# Altium PCB BB.PcbDoc (part 2 of 9) (continued)
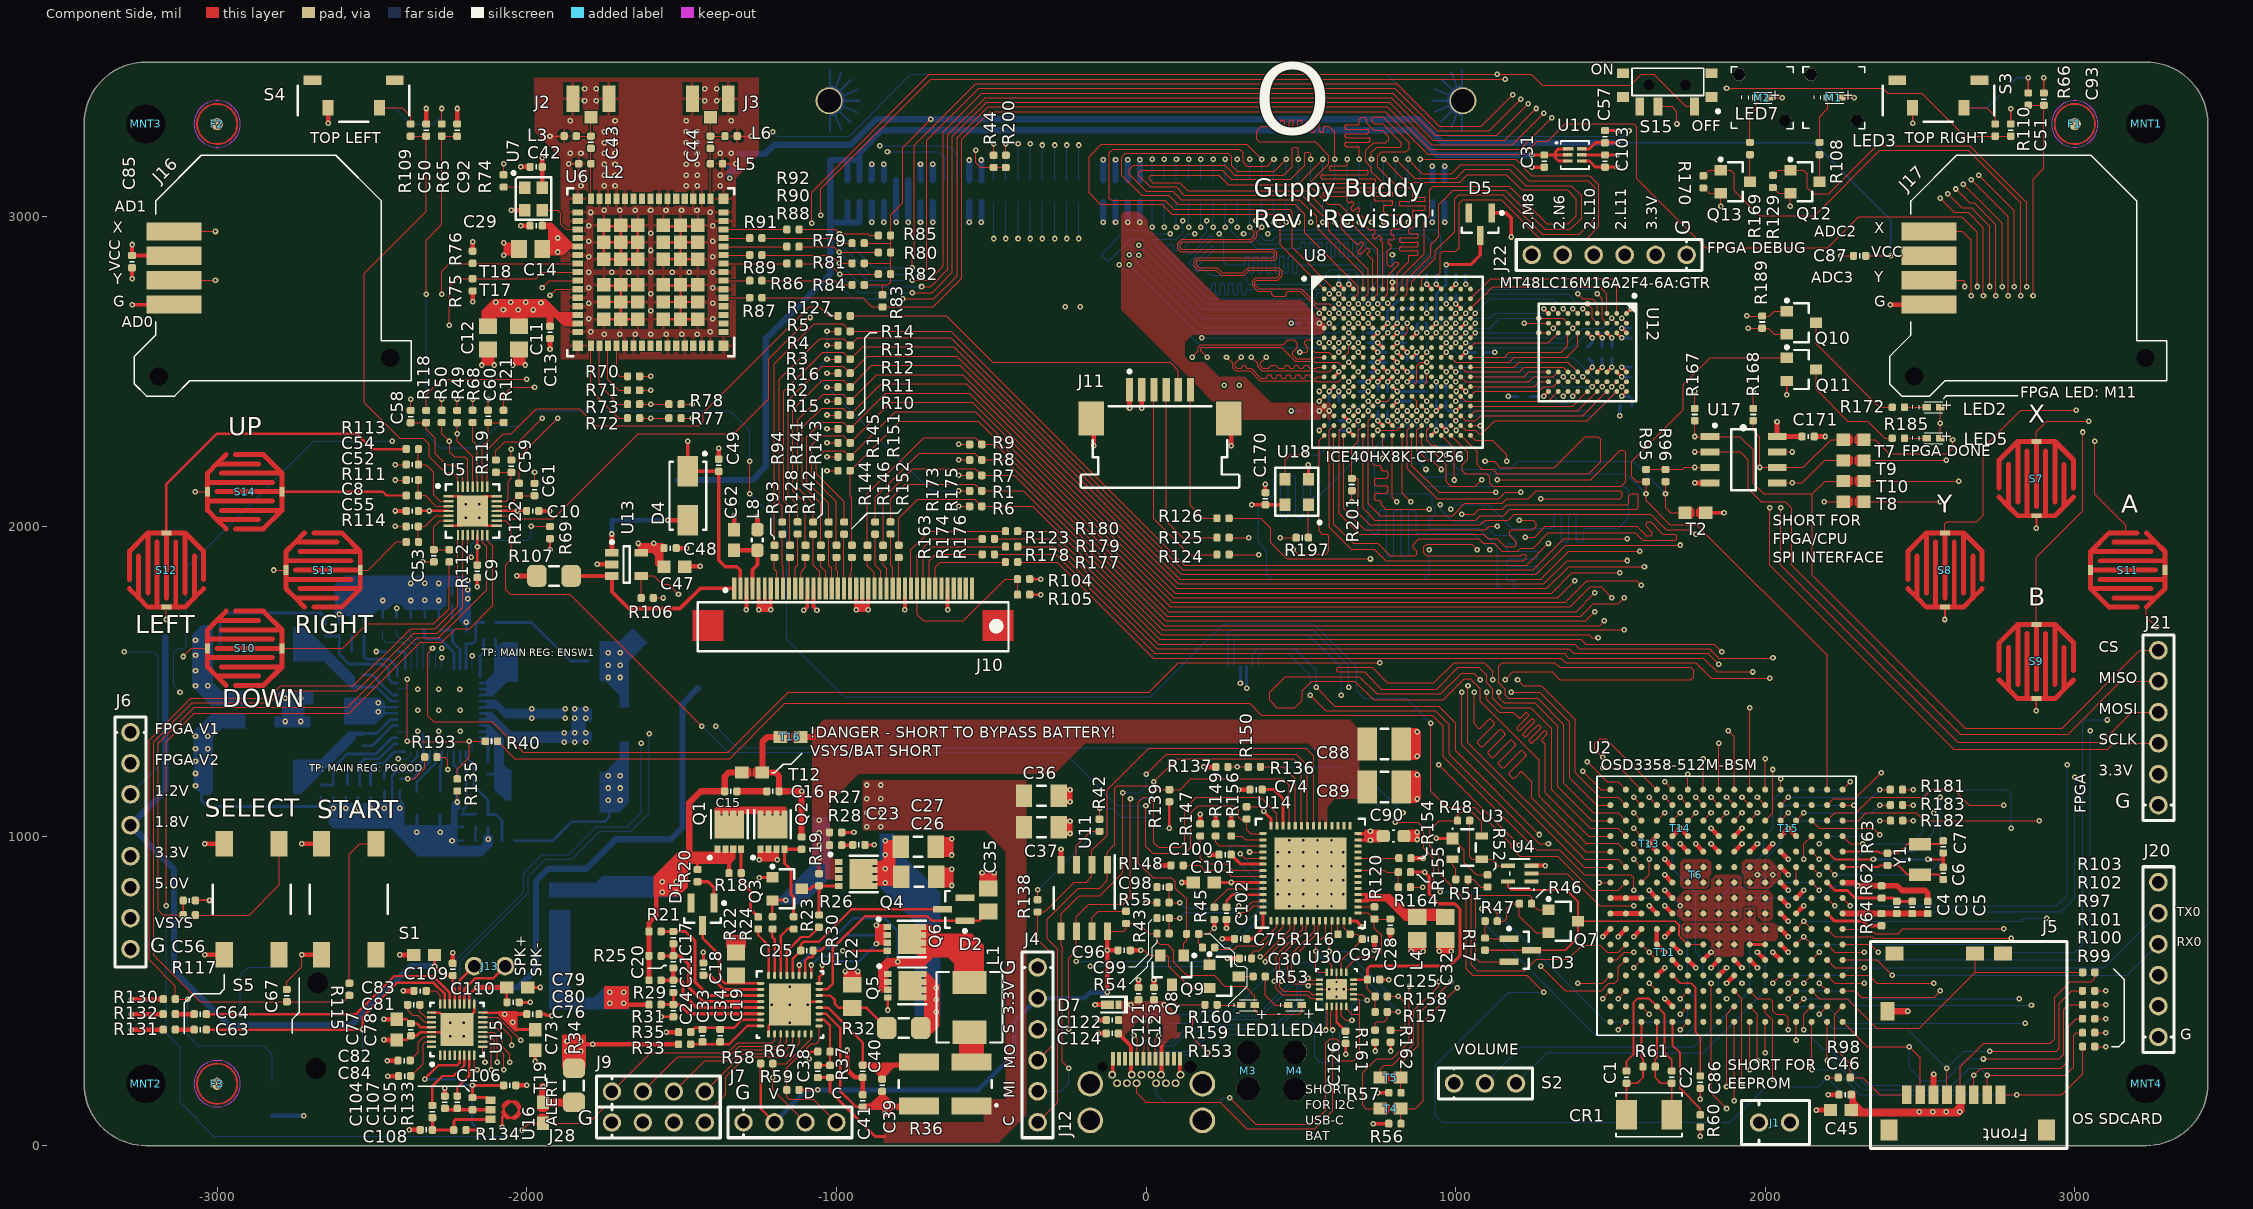
[diagram p0: Component Side view]
## Part data (continued)
C94 C111 C116 C117 C119 C120 C127 C129 C130 C131 C133 C134 C135 C161 C162 C163 C164 C167 C169: library part C_0201_0.1UF, "CAP CER 0.1UF 6.3V 10% X5R 0201", Capacitance=0.1µF, Manufacturer="Murata Electronics North America", Manufacturer Part Number=GRM033R60J104KE19D, Operating Temperature="-55°C ~ 85°C", Package / Case=0201, Ratings=-, Supplier Part Number 1=490-3167-1-ND, Temperature Coefficient=X5R, Tolerance=±10%, Voltage - Rated=6.3V, Applications="General Purpose", Category=Capacitors, ComponentLink1Description=http://search.murata.co.jp/Ceramy/image/img/A01X/G101/ENG/GRM033R60J104KE19-01.pdf, ComponentLink1URL=http://search.murata.co.jp/Ceramy/image/img/A01X/G101/ENG/GRM033R60J104KE19-01.pdf, Features=-, Height - Seated (Max)=-, Lead Spacing=-, Lead Style=-, Mounting Type="Surface Mount, MLCC", Packaging="Cut Tape (CT)", Part Status=Active, Pricing 1="1=0.1, 10=0.033, 100=0.0149, 500=0.01062, 1000=0.00835, 2500=0.00759, 5000=0.00698 (USD)", RoHS="RoHS Compliant", Size / Dimension="0.024\" L x 0.012\" W (0.60mm x 0.30mm)", Stock 1=13375857, Supplier 1=Digi-Key, Thickness (Max)="0.013\" (0.33mm)"
C95 C118 C128 C132 C136 C166 C168: library part C_0201_1.0UF, "CAP CER 1UF 6.3V 20% X5R 0201", Capacitance=1.0µF, Manufacturer=AVX, Manufacturer Part Number=02016D105KAT2A, Operating Temperature Range="- 55 C to + 85 C", Package / Case=0201, Supplier Part Number 1=581-02016D105KAT2A, Temperature Coefficient=X5R, Tolerance="10 %", Voltage - Rated=6.3V, Voltage Rating="6.3 Volts", Category="Multilayer Ceramic Capacitors (MLCC) - SMD/SMT", ComponentLink1Description=http://www.avx.com/docs/Catalogs/cx5r.pdf, ComponentLink1URL=http://www.avx.com/docs/Catalogs/cx5r.pdf, Dimensions="0.3 mm W x 0.6 mm L x 0.33 mm H", Minimum Order Quantity=1, Packaging=Reel, Pricing="1=0.878, 50=0.635, 100=0.394, 500=0.274, 1000=0.257, 15000=0.224 (AUD)", Product="General Type MLCCs", Product Category="SMD Ceramic Capacitors", Product Status="New at Mouser", Reeling=True, RoHS="RoHS Compliant", RoHS - Mouser=Y, Series=CX5R, Stock 1=9875, Supplier 1=Mouser, Temperature Coefficient / Code=X5R, Termination Style=SMD/SMT
C104 C105 C107 C108: library part C_0402_1000PF_50V, "CAP CER 1000PF 50V C0G 0402", Manufacturer="Murata Electronics North America", Manufacturer Part Number=GRM1555C1H102JA01D, Operating Temperature="-55°C ~ 125°C", Package / Case=0402, Ratings=-, Supplier Part Number 1=490-3244-1-ND, Temperature Coefficient=C0G, Tolerance=±5%, Voltage - Rated=50V, Applications="General Purpose", Capacitance=1000pF, Category=Capacitors, ComponentLink1Description=http://search.murata.co.jp/Ceramy/image/img/PDF/ENG/GRM1555C1H102JA01.pdf, ComponentLink1URL=http://search.murata.co.jp/Ceramy/image/img/PDF/ENG/GRM1555C1H102JA01.pdf, Features=-, Lead Spacing=-, Lead Style=-, Mounting Type="Surface Mount, MLCC", Packaging="Cut Tape (CT)", Pricing 1="10=0.073, 100=0.0429, 500=0.02476, 1000=0.01716 (USD)", RoHS="RoHS Compliant", Size / Dimension="0.040\" L x 0.020\" W (1.00mm x 0.50mm)", Stock 1=1327660, Supplier 1=Digi-Key, Thickness=0.50mm
C112 C139 C145 C151: "CAP CER 22UF 35V X5R 0805", Capacitance=22µF, Manufacturer="TDK Corporation", Manufacturer Part Number=C2012X5R1V226M125AC, Operating Temperature="-55°C ~ 85°C", Package / Case=0805, Ratings=-, Supplier Part Number 1=445-14428-1-ND, Temperature Coefficient=X5R, Tolerance=±20%, Voltage - Rated=35V, Applications="General Purpose", Category=Capacitors, ComponentLink1Description=https://product.tdk.com/info/en/catalog/datasheets/mlcc_commercial_general_en.pdf, ComponentLink1URL=https://product.tdk.com/info/en/catalog/datasheets/mlcc_commercial_general_en.pdf, Failure Rate=-, Features="Low ESL", Height - Seated (Max)=-, Lead Spacing=-, Lead Style=-, Mounting Type="Surface Mount, MLCC", Packaging="Cut Tape (CT)", Part Status=Active, Pricing 1="1=1.14, 10=0.863, 100=0.6176, 500=0.47818, 1000=0.41176 (USD)", RoHS="RoHS Compliant", Size / Dimension="0.079\" L x 0.049\" W (2.00mm x 1.25mm)", Stock 1=3681, Supplier 1=Digi-Key, Thickness (Max)="0.057\" (1.45mm)"
C114 C141 C147 C153: Capacitance=3300pF, Manufacturer="Murata Electronics North America", Manufacturer Part Number=GRM155R71H332KA01D, Operating Temperature="-55°C ~ 125°C", Package / Case=0402, Ratings=-, Supplier Part Number 1=490-3248-1-ND, Temperature Coefficient=X7R, Tolerance=±10%, Voltage - Rated=50V, Applications="General Purpose", Category=Capacitors, ComponentLink1Description=http://www.murata.com/~/media/webrenewal/support/library/catalog/products/capacitor/mlcc/c02e.ashx?la=en-us, ComponentLink1URL=http://www.murata.com/~/media/webrenewal/support/library/catalog/products/capacitor/mlcc/c02e.ashx?la=en-us, Features=-, Height - Seated (Max)=-, Lead Spacing=-, Lead Style=-, Mounting Type="Surface Mount, MLCC", Packaging="Cut Tape (CT)", Part Status=Active, Pricing 1="1=0.1, 10=0.013, 100=0.0059, 500=0.0042, 1000=0.0033, 2500=0.003, 5000=0.00276 (USD)", RoHS="RoHS Compliant", Size / Dimension="0.039\" L x 0.020\" W (1.00mm x 0.50mm)", Stock 1=717319, Supplier 1=Digi-Key, Thickness (Max)="0.022\" (0.55mm)"
C115 C142: "CAP CER 36PF 50V NP0 0402", Capacitance=36pF, Manufacturer="Samsung Electro-Mechanics America, Inc.", Manufacturer Part Number=CL05C360JB5NNNC, Operating Temperature="-55°C ~ 125°C", Package / Case=0402, Ratings=-, Supplier Part Number 1=1276-1686-1-ND, Temperature Coefficient=C0G, Tolerance=±5%, Voltage - Rated=50V, Applications="General Purpose", Category=Capacitors, ComponentLink1Description=http://www.samsungsem.com/kr/support/product-search/mlcc/CL05C360JB5NNNC.jsp, ComponentLink1URL=http://www.samsungsem.com/kr/support/product-search/mlcc/CL05C360JB5NNNC.jsp, Features=-, Height - Seated (Max)=-, Lead Spacing=-, Lead Style=-, Mounting Type="Surface Mount, MLCC", Packaging="Cut Tape (CT)", Pricing 1="1=0.1, 10=0.03, 25=0.0208, 50=0.016, 100=0.0135, 500=0.00948, 1000=0.00738, 5000=0.00615 (USD)", RoHS="RoHS Compliant", Size / Dimension="0.039\" L x 0.020\" W (1.00mm x 0.50mm)", Stock 1=24626, Supplier 1=Digi-Key, Thickness (Max)="0.022\" (0.55mm)"
C121 C122 C123 C124: library part C_0402_10000PF_50V, "CAP CERAMIC .01UF 50V X7R 0402", Capacitance=.01µF, Manufacturer="Murata Electronics North America", Manufacturer Part Number=GRM155R71H103KA88D, Operating Temperature="-55°C ~ 125°C", Package / Case=0402, Ratings=-, Supplier Part Number 1=490-4516-1-ND, Temperature Coefficient=X7R, Tolerance=±10%, Voltage - Rated=50V, Applications="General Purpose", Category=Capacitors, ComponentLink1Description=http://www.murata.com/~/media/webrenewal/support/library/catalog/products/capacitor/mlcc/c02e.ashx, ComponentLink1URL=http://www.murata.com/~/media/webrenewal/support/library/catalog/products/capacitor/mlcc/c02e.ashx, Features=-, Height - Seated (Max)=-, Lead Spacing=-, Lead Style=-, Mounting Type="Surface Mount, MLCC", Packaging="Cut Tape (CT)", Part Status=Active, Pricing 1="1=0.1, 50=0.0052, 100=0.0044, 250=0.00364, 500=0.00312, 1000=0.00242, 5000=0.00202 (USD)", RoHS="RoHS Compliant", Size / Dimension="0.039\" L x 0.020\" W (1.00mm x 0.50mm)", Stock 1=7255009, Supplier 1=Digi-Key, Thickness (Max)="0.022\" (0.55mm)"
C137 C143 C149 C155: "CAP CER 0.068UF 25V X7R 0402", Capacitance=0.068µF, Manufacturer="Murata Electronics North America", Manufacturer Part Number=GRM155R71E683KE14D, Operating Temperature="-55°C ~ 125°C", Package / Case=0402, Ratings=-, Supplier Part Number 1=490-14604-1-ND, Temperature Coefficient=X7R, Tolerance=±10%, Voltage - Rated=25V, Applications="General Purpose", Category=Capacitors, ComponentLink1Description=http://search.murata.co.jp/Ceramy/image/img/A01X/G101/ENG/GRM155R71E683KE14-01.pdf, ComponentLink1URL=http://search.murata.co.jp/Ceramy/image/img/A01X/G101/ENG/GRM155R71E683KE14-01.pdf, Failure Rate=-, Features=-, Height - Seated (Max)=-, Lead Spacing=-, Lead Style=-, Mounting Type="Surface Mount, MLCC", Packaging="Cut Tape (CT)", Part Status=Active, Pricing 1="1=0.1, 10=0.031, 100=0.0136, 500=0.00974, 1000=0.00765, 2500=0.00696, 5000=0.0064 (USD)", RoHS="RoHS Compliant", Size / Dimension="0.039\" L x 0.020\" W (1.00mm x 0.50mm)", Stock 1=7620, Supplier 1=Digi-Key, Thickness (Max)="0.022\" (0.55mm)"
C148: library part C_0402_12PF_50V, "CAP CER 12PF 50V 5% C0G 0402", Manufacturer="Murata Electronics North America", Manufacturer Part Number=GRM1555C1H120FA01D, Operating Temperature="-55°C ~ 125°C", Package / Case=0402, Ratings=-, Supplier Part Number 1=490-6196-1-ND, Temperature Coefficient="C0G, NP0", Tolerance=±1%, Voltage - Rated=50V, Applications="General Purpose", Capacitance=12pF, Category=Capacitors, ComponentLink1Description=http://search.murata.co.jp/Ceramy/image/img/A01X/G101/ENG/GRM1555C1H120FA01-01.pdf, ComponentLink1URL=http://search.murata.co.jp/Ceramy/image/img/A01X/G101/ENG/GRM1555C1H120FA01-01.pdf, Features=-, Height - Seated (Max)=-, Lead Spacing=-, Lead Style=-, Mounting Type="Surface Mount, MLCC", Packaging="Cut Tape (CT)", Part Status=Active, Pricing 1="1=0.1, 10=0.05, 100=0.0223, 500=0.01594, 1000=0.01252, 2500=0.01138, 5000=0.01047 (USD)", RoHS="RoHS Compliant", Size / Dimension="0.039\" L x 0.020\" W (1.00mm x 0.50mm)", Stock 1=386052, Supplier 1=Digi-Key, Thickness (Max)="0.022\" (0.55mm)"
C154: library part C_0402_47p_50V, "CAP CER 47PF 50V 5% C0G 0402", Manufacturer="Murata Electronics North America", Manufacturer Part Number=GRM1555C1H470JA01D, Operating Temperature="-55°C ~ 125°C", Package / Case=0402, Ratings=-, Supplier Part Number 1=490-5942-1-ND, Temperature Coefficient=C0G, Tolerance=±5%, Voltage - Rated=50V, Applications="General Purpose", Capacitance=47pF, Category=Capacitors, ComponentLink1Description=http://www.murata.com/~/media/webrenewal/support/library/catalog/products/capacitor/mlcc/c02e.ashx, ComponentLink1URL=http://www.murata.com/~/media/webrenewal/support/library/catalog/products/capacitor/mlcc/c02e.ashx, Features=-, Height - Seated (Max)=-, Lead Spacing=-, Lead Style=-, Mounting Type="Surface Mount, MLCC", Packaging="Cut Tape (CT)", Pricing 1="1=0.1, 10=0.013, 50=0.007, 100=0.0059, 250=0.00488, 500=0.00416, 1000=0.00324, 5000=0.0027 (USD)", RoHS="RoHS Compliant", Size / Dimension="0.039\" L x 0.020\" W (1.00mm x 0.50mm)", Stock 1=682755, Supplier 1=Digi-Key, Thickness (Max)="0.022\" (0.55mm)"
C158: library part C_0402_4.7UF, "CAP CER 4.7UF 6.3V X5R 0402", Capacitance=4.7µF, Manufacturer="Samsung Electro-Mechanics America, Inc", Manufacturer Part Number=CL05A475MQ5NRNC, Operating Temperature="-55°C ~ 85°C", Package / Case=0402, Ratings=-, Supplier Part Number 1=1276-1056-1-ND, Temperature Coefficient=X5R, Tolerance=±20%, Voltage - Rated=6.3V, Applications="General Purpose", Category=Capacitors, ComponentLink1Description=http://www.samsungsem.com/servlet/FileDownload?type=spec&file=CL05A475MQ5NRNC.pdf, ComponentLink1URL=http://www.samsungsem.com/servlet/FileDownload?type=spec&file=CL05A475MQ5NRNC.pdf, Features=-, Height - Seated (Max)=-, Lead Spacing=-, Lead Style=-, Mounting Type="Surface Mount, MLCC", Packaging="Cut Tape (CT)", Pricing="1=0.23, 10=0.159, 25=0.116, 50=0.0966, 100=0.0811, 250=0.06564, 500=0.0579, 1000=0.04922, 2500=0.04536 (USD)", RoHS="RoHS Compliant", Size / Dimension="0.039\" L x 0.020\" W (1.00mm x 0.50mm)", Stock 1=318619, Supplier 1=Digi-Key, Thickness (Max)="0.022\" (0.55mm)"
C159 C160: library part C_0805_4.7µF_25V, "CAP CER 4.7UF 25V 10% X5R 0805", Manufacturer="Taiyo Yuden", Manufacturer Part Number=TMK212BJ475KG-T, Operating Temperature="-55°C ~ 85°C", Package / Case=0805, Ratings=-, Supplier Part Number 1=587-1782-1-ND, Temperature Coefficient=X5R, Tolerance=±10%, Voltage - Rated=25V, Applications="General Purpose", Capacitance=4.7µF, Category=Capacitors, ComponentLink1Description=http://www.yuden.co.jp/productdata/catalog/en/mlcc01_e.pdf, ComponentLink1URL=http://www.yuden.co.jp/productdata/catalog/en/mlcc01_e.pdf, Features=-, Height - Seated (Max)=-, Lead Spacing=-, Lead Style=-, Mounting Type="Surface Mount, MLCC", Packaging="Cut Tape (CT)", Pricing 1="1=0.24, 10=0.2, 50=0.1126, 100=0.1, 250=0.075, 500=0.06626, 1000=0.05875 (USD)", RoHS="RoHS Compliant", Size / Dimension="0.079\" L x 0.049\" W (2.00mm x 1.25mm)", Stock 1=38955, Supplier 1=Digi-Key, Thickness (Max)="0.053\" (1.35mm)"
C165: library part C_0201_0.01UF, "CAP CER 10000PF 6.3V X5R 0201", Capacitance=0.01µF, Manufacturer="TDK Corporation", Manufacturer Part Number=C0603X5R0J103M, Operating Temperature="-55°C ~ 85°C", Package / Case=0201, Ratings=-, Supplier Part Number 1=445-4704-1-ND, Temperature Coefficient=X5R, Tolerance=±20%, Voltage - Rated=6.3V, Applications="General Purpose", Category=Capacitors, ComponentLink1Description=http://www.tdk.com/pdf/general_B11.pdf, ComponentLink1URL=http://www.tdk.com/pdf/general_B11.pdf, Features=-, Height - Seated (Max)=-, Lead Spacing=-, Lead Style=-, Mounting Type="Surface Mount, MLCC", Packaging="Cut Tape (CT)", Pricing="1=0.08, 10=0.05, 100=0.018, 250=0.013, 500=0.0096, 1000=0.0065 (USD)", RoHS="RoHS Compliant", Size / Dimension="0.024\" L x 0.012\" W (0.60mm x 0.30mm)", Stock 1=31876, Supplier 1=Digi-Key, Thickness (Max)="0.013\" (0.33mm)"
CR1: "Imported", Case/Package=SMD/SMT, ESR (Equivalent Series Resistance)=50R, Frequency=24MHz, Frequency Stability=30ppm, Load Capacitance=18pF, Manufacturer 1=TXC, Manufacturer_Part_Number=7A-24.000MAAJ-T, Max Operating Temperature=70°C, Min Operating Temperature=-40°C, Package Quantity=1000, Supplier Part Number 1=887-1090-1-ND, Built_By=EMA_UL_Team, C="Copyright (C) 2015 Accelerated Designs. All rights reserved", ComponentLink1Description=https://datasheet.ciiva.com/46431/1041607-46431974.pdf, ComponentLink1URL=https://datasheet.ciiva.com/46431/1041607-46431974.pdf, ComponentLink2Description=https://datasheet.ciiva.com/854/7a-854775.pdf, ComponentLink2URL=https://datasheet.ciiva.com/854/7a-854775.pdf, ComponentLink3Description=https://datasheet.ciiva.com/854/7a-854776.pdf, ComponentLink3URL=https://datasheet.ciiva.com/854/7a-854776.pdf, ComponentLink4Description=https://datasheet.ciiva.com/854/7a-854777.pdf, ComponentLink4URL=https://datasheet.ciiva.com/854/7a-854777.pdf, ComponentLink5Description=https://datasheet.ciiva.com/1356/1041607-1356396.pdf, ComponentLink5URL=https://datasheet.ciiva.com/1356/1041607-1356396.pdf, Depth=3.2mm, Description 1="CRYSTAL 24.000MHZ 18PF SMD", Frequency Tolerance=30ppm, Height=0.053inch, Lead Free="Lead Free", Length=5mm, Manufacturer Part Number 1=7A-24.000MAAJ-T, Mount="Surface Mount", Number of Pins=2, Packaging="Tape and Reel", Pricing 1="1=0.72, 10=0.633, 50=0.5912, 100=0.5225, 500=0.495 (USD)", REACH SVHC="No SVHC", RefDes=RefDes, Stock 1=70918, Supplier 1=Digi-Key, Termination=SMD/SMT, Tolerance=30ppm, Type=DEV, Vendor=TXC, Width=3.2mm
D1 D2 D5: library part D_SCHOTT_BAT54WFILM, "DIODE SCHOTTKY 40V 300MA SOT-23", Average Rectified Current=300mA, Capacitance=10pF, Case/Package=SOT-323, Forward Voltage=900mV, Manufacturer 1=STMicroelectronics, Manufacturer Part Number 1=BAT54WFILM, Max Forward Surge Current (Ifsm)=1A, Max Operating Temperature=150°C, Max Repetitive Reverse Voltage (Vrrm)=40V, Max Reverse Leakage Current=1uA, Min Operating Temperature=-40°C, Package / Case=SOT-23-3, Package Quantity=1, Supplier Part Number 1=497-2530-6-ND, Voltage - Forward (Vf) (Max) @ If="900mV @ 100mA", Voltage Rating (DC)=30V, ComponentLink1Description=http://www.fairchildsemi.com/ds/BA/BAT54.pdf, ComponentLink1URL=http://www.fairchildsemi.com/ds/BA/BAT54.pdf, ComponentLink2Description=https://datasheet.ciiva.com/4714/cd00001322-105648-4714481.pdf, ComponentLink2URL=https://datasheet.ciiva.com/4714/cd00001322-105648-4714481.pdf, ComponentLink3Description=https://datasheet.ciiva.com/15144/getdatasheetpartid-39206-15144069.pdf, ComponentLink3URL=https://datasheet.ciiva.com/15144/getdatasheetpartid-39206-15144069.pdf, ComponentLink4Description=https://datasheet.ciiva.com/915/cd00001322-915500.pdf, ComponentLink4URL=https://datasheet.ciiva.com/915/cd00001322-915500.pdf, ComponentLink5Description=https://datasheet.ciiva.com/915/cd00001322-915501.pdf, ComponentLink5URL=https://datasheet.ciiva.com/915/cd00001322-915501.pdf, ComponentLink6Description=https://datasheet.ciiva.com/915/cd00001322-915502.pdf, ComponentLink6URL=https://datasheet.ciiva.com/915/cd00001322-915502.pdf, Current - Average Rectified (Io)=300mA, Current Rating=300mA, Description 1="DIODE SCHOTTKY 40V 300MA SOT323", Element Configuration=Single, Forward Current=300mA, Height=1.1mm, Lead Free="Lead Free", Length=2mm, Max Reverse Voltage (DC)=40V, Max Surge Current=1A, Mount="Surface Mount", Number of Pins=3, Output Current=300mA, Packaging="Tape and Reel", Peak Non-Repetitive Surge Current=1A, Peak Reverse Current=1uA, Polarity=Standard, Pricing 1="1=0.38, 10=0.286, 100=0.1617, 500=0.10706, 1000=0.08209 (USD)", Radiation Hardening=No, Recovery Time=5ns, Reverse Recovery Time=5ns, Stock 1=16371, Supplier 1=Digi-Key, Voltage - DC Reverse (Vr) (Max)=40V, Width=1.25mm
D3: "IC VREF SHUNT ADJ SOT23-3", Case/Package=SOT-23, Cathode Current=100uA, Manufacturer="Texas Instruments", Manufacturer_Part_Number=TLVH431AIDBZR, Max Input Voltage=20V, Max Operating Temperature=125°C, Max Output Current=80mA, Max Output Voltage=18V, Min Operating Temperature=-40°C, Output Current=70mA, Package Quantity=1, Supplier Part Number 1=296-17970-6-ND, Temperature Coefficient=129ppm/°C, Tolerance=1%, Built_By=EMA_UL_Team, C="Copyright (C) 2015 Accelerated Designs. All rights reserved", ComponentLink1Description=https://datasheet.ciiva.com/8055/1772203-8055424.pdf, ComponentLink1URL=https://datasheet.ciiva.com/8055/1772203-8055424.pdf, ComponentLink2Description=https://datasheet.ciiva.com/3236/tlvh432b-3236469.pdf, ComponentLink2URL=https://datasheet.ciiva.com/3236/tlvh432b-3236469.pdf, ComponentLink3Description=https://datasheet.ciiva.com/2006/tlvh431a-2006475.pdf, ComponentLink3URL=https://datasheet.ciiva.com/2006/tlvh431a-2006475.pdf, ComponentLink4Description=https://datasheet.ciiva.com/2006/tlvh431a-2006476.pdf, ComponentLink4URL=https://datasheet.ciiva.com/2006/tlvh431a-2006476.pdf, ComponentLink5Description=https://datasheet.ciiva.com/2006/tlvh431a-2006477.pdf, ComponentLink5URL=https://datasheet.ciiva.com/2006/tlvh431a-2006477.pdf, ComponentLink6Description=https://datasheet.ciiva.com/3235/tlvh432b-3235662.pdf, ComponentLink6URL=https://datasheet.ciiva.com/3235/tlvh432b-3235662.pdf, Description 1="IC VREF SHUNT ADJ SOT23-3", Lead Free="Lead Free", Manufacturer 1="Texas Instruments", Manufacturer Part Number 1=TLVH431AIDBZR, Number of Channels=1, Number of Pins=3, Output Voltage=18V, Packaging="Tape and Reel", Pricing 1="1=0.75, 10=0.659, 100=0.5055, 500=0.39964, 1000=0.31971 (USD)", Radiation Hardening=No, REACH SVHC="No SVHC", RefDes=RefDes, Reference Type=Shunt,Adjustable, Reference Voltage=18V, Stock 1=8302, Supplier 1=Digi-Key, Type=DEV, Vendor="Texas Instruments"
D4: library part D_SCHOTT_B1100-13-F, "DIODE SCHOTTKY 100V 1A SMA", Capacitance @ Vr, F="80pF @ 4V, 1MHz", Current - Average Rectified (Io)=1A, Current - Reverse Leakage @ Vr="500µA @ 100V", Manufacturer="Diodes Inc", Package / Case=DO-214AC, Supplier Device Package=SMA, Supplier Part Number 1=B1100-FDICT-ND, Voltage - DC Reverse (Vr) (Max)=100V, Voltage - Forward (Vf) (Max) @ If="790mV @ 1A", Category="Discrete Semiconductor Products", ComponentLink1Description=http://www.diodes.com/datasheets/ds30018.pdf, ComponentLink1URL=http://www.diodes.com/datasheets/ds30018.pdf, Diode Type=Schottky, Manufacturer Part Number=B1100-13-F, Mounting Type="Surface Mount", Packaging="Cut Tape (CT)", Pricing="1=0.57, 10=0.4, 25=0.3288, 100=0.2627, 250=0.1914, 500=0.15544, 1000=0.11948, 2500=0.1073 (USD)", Reverse Recovery Time (trr)=-, RoHS="RoHS Compliant", Speed="Fast Recovery =< 500ns, > 200mA (Io)", Stock 1=109264, Supplier 1=Digi-Key
D7: "Diode Schottky 30V 2A (DC) Surface Mount 2-DSN (1.6x.80)", Average Rectified Current=2A, Case/Package=0603, Forward Voltage=480mV, Manufacturer="ON Semiconductor", Manufacturer Part Number=NSR20F20NXT5G, Max Forward Surge Current (Ifsm)=28A, Max Operating Temperature=150°C, Max Power Dissipation=1.75W, Max Repetitive Reverse Voltage (Vrrm)=30V, Max Reverse Leakage Current=150uA, Min Operating Temperature=-40°C, Package Quantity=1, Supplier Part Number 1=NSR20F30NXT5GOSDKR-ND, ComponentLink1Description=https://datasheet.ciiva.com/22663/nsr20f30-d-22663701.pdf, ComponentLink1URL=https://datasheet.ciiva.com/22663/nsr20f30-d-22663701.pdf, ComponentLink2Description=https://datasheet.ciiva.com/4714/nsr20f30-118998-4714087.pdf, ComponentLink2URL=https://datasheet.ciiva.com/4714/nsr20f30-118998-4714087.pdf, ComponentLink3Description=https://datasheet.ciiva.com/16474/nsr20f30-d-16474535.pdf, ComponentLink3URL=https://datasheet.ciiva.com/16474/nsr20f30-d-16474535.pdf, ComponentLink4Description=https://datasheet.ciiva.com/915/nsr20f30-d-915929.pdf, ComponentLink4URL=https://datasheet.ciiva.com/915/nsr20f30-d-915929.pdf, ComponentLink5Description=https://datasheet.ciiva.com/915/nsr20f30-d-915930.pdf, ComponentLink5URL=https://datasheet.ciiva.com/915/nsr20f30-d-915930.pdf, ComponentLink6Description=https://datasheet.ciiva.com/915/nsr20f30-d-915931.pdf, ComponentLink6URL=https://datasheet.ciiva.com/915/nsr20f30-d-915931.pdf, Element Configuration=Single, Forward Current=2A, Lead Free="Lead Free", Max Surge Current=28A, Number of Pins=2, Packaging="Tape and Reel", Peak Non-Repetitive Surge Current=28A, Peak Reverse Current=150uA, Pricing 1="1=0.57, 10=0.458, 100=0.3118, 500=0.2339, 1000=0.1754 (USD)", Radiation Hardening=No, REACH SVHC="No SVHC", Reverse Voltage (DC)=30V, Stock 1=24771, Supplier 1=Digikey
F1 F2 F3: library part F_FUDICIAL
J1: "CONN HEADER .100\" 2POS TIN PCB", Color=Black, Manufacturer=Samtec, Manufacturer Part Number=TSW-102-07-T-S, Category="Connectors, Interconnects", ComponentLink1Description=http://www.samtec.com/ftppub/pdf/TD.PDF, ComponentLink1URL=http://www.samtec.com/ftppub/pdf/TD.PDF, Connector Type=Unshrouded, Contact Finish=Tin, Contact Finish Thickness="200µin (5.08µm)", Contact Mating Length="0.166\" (4.22mm)", Features=-, Height Stacking (Mating)=-, Molding Height Above Board="0.100\" (2.54mm)", Mounting Type="Through Hole", NOTE="This is a 1X12 header", Number of Positions=2, Number of Positions Loaded=All, Number of Rows=1, Pitch="0.100\" (2.54mm)", RoHS="RoHS Compliant", Row Spacing=-, Supplier 1=Samtec, Supplier Part Number 1=TSW-102-07-T-S, Termination=Solder
J2 J3: library part J_U.FL-R-SMT-1, "CONN UMC JACK STR 50 OHM SMD", Dielectric Material=Polymer, Frequency=6GHz, Housing Colour=Beige, Insulation Resistance=500MR, Manufacturer 1=Hirose, Max Operating Temperature=90°C, Min Operating Temperature=-40°C, Package Quantity=2500, Supplier Part Number 1=H11891DKR-ND, Body Material=Bronze, Body Plating=Silver, ComponentLink1Description=https://datasheet.ciiva.com/7651/91524-7651914.pdf, ComponentLink1URL=https://datasheet.ciiva.com/7651/91524-7651914.pdf, ComponentLink2Description=https://datasheet.ciiva.com/11762/0900766b8105243f-11762474.pdf, ComponentLink2URL=https://datasheet.ciiva.com/11762/0900766b8105243f-11762474.pdf, ComponentLink3Description=https://datasheet.ciiva.com/7651/91524-7651915.pdf, ComponentLink3URL=https://datasheet.ciiva.com/7651/91524-7651915.pdf, Connector Type="Receptacle,Coaxial,Male Pin", Contact Material=Bronze,Brass, Contact Plating=Gold, Depth=3.1mm, Description 1="CONN UMC JACK STR 50 OHM SMD", DeviceSetName=U.FL-R-SMT-1, Fastening Type=Snap, GateName_1=G$1, Gender=Male, Impedance=50R, Lead Free="Lead Free", Length=3mm, LibraryName=GHI-Connectors, Manufacturer Part Number 1=U.FL-R-SMT-1(10), Max Frequency=6GHz, Mount="Surface Mount,Through Hole,PCB", Orientation=Straight, Packaging="Tape and Reel", Pricing 1="1=1.31, 10=1.15, 25=1.0824, 50=1.0374, 100=0.9922, 250=0.902, 500=0.8118, 1000=0.7216 (USD)", Radiation Hardening=No, REACH SVHC="No SVHC", Stock 1=382010, Supplier 1=Digi-Key, SymbolName_1=U.FL-R-SMT-1, Termination=Solder, Wire/Cable Type=Coaxial
J4: "CONN HEADER .100\" 12POS TIN PCB", Color=Black, Manufacturer=Samtec, Manufacturer Part Number=TSW-106-07-T-S, Category="Connectors, Interconnects", ComponentLink1Description=http://www.samtec.com/ftppub/cpdf/TX-MKT1.PDF, ComponentLink1URL=http://www.samtec.com/ftppub/cpdf/TX-MKT1.PDF, ComponentLink2Description=http://www.samtec.com/ftppub/pdf/TD.PDF, ComponentLink2URL=http://www.samtec.com/ftppub/pdf/TD.PDF, Connector Type=Unshrouded, Contact Finish=Tin, Contact Finish Thickness="200µin (5.08µm)", Contact Mating Length="0.166\" (4.22mm)", Features=-, Height Above Board="0.100\" (2.54mm)", Height Stacking (Mating)=-, Molding Height Above Board="0.100\" (2.54mm)", Mounting Type="Through Hole", Number of Positions=6, Number of Positions Loaded=All, Number of Rows=1, Packaging=Bulk, Pitch="0.100\" (2.54mm)", Pricing=1=0.201, RoHS="RoHS Compliant", Row Spacing=-, Stock 1=0, Supplier 1=Samtec, Supplier Part Number 1=TSW-106-07-T-S, Termination=Solder
J5: library part J_MICRO_SD, "CONN MICRO SD R/A PUSH-PUSH SMD", Manufacturer="Molex Inc", Manufacturer Part Number=502570-0893, Supplier Part Number 1=WM19093CT-ND, Card Type="Secure Digital - microSD™ TransFlash", Category="Connectors, Interconnects", ComponentLink1Description=http://www.molex.com/pdm_docs/sd/5025700893_sd.pdf, ComponentLink1URL=http://www.molex.com/pdm_docs/sd/5025700893_sd.pdf, Connector Type="Connector and Ejector", Contact Finish=Gold, Contact Finish Thickness="20µin (0.51µm)", Ejector Side=-, Features=Switch, Height Above Board="0.071\" (1.80mm)", Insertion, Removal Method="Push In, Push Out", Mounting Feature="Normal, Standard - Top", Mounting Type="Surface Mount, Right Angle", Number of Positions="10 (8 + 2)", Packaging="Cut Tape (CT)", Pricing="1=2.93, 25=2.5456, 50=2.2908, 100=2.0363, 250=1.8512, 500=1.72394 (USD)", RoHS="RoHS Compliant", Stock 1=9524, Supplier 1=Digi-Key
J6: library part J_HDR1X8_HOLES, Mounting Type="Through Hole", Pitch="0.100\" (2.54mm)"
J7 J9 J28: "CONN HEADER .100\" 4POS TIN PCB", Color=Black, Manufacturer=Samtec, Manufacturer Part Number=TSW-104-07-T-S, Category="Connectors, Interconnects", ComponentLink1Description=http://www.samtec.com/ftppub/cpdf/TX-MKT1.PDF, ComponentLink1URL=http://www.samtec.com/ftppub/cpdf/TX-MKT1.PDF, Connector Type=Unshrouded, Contact Finish=Tin, Contact Finish Thickness="200µin (5.08µm)", Contact Mating Length="0.166\" (4.22mm)", Features=-, Height Above Board="0.100\" (2.54mm)", Height Stacking (Mating)=-, Mounting Type="Through Hole", Number of Positions=4, Number of Positions Loaded=All, Number of Rows=1, Packaging=Bulk, Pitch="0.100\" (2.54mm)", Pricing=1=0.134, RoHS="RoHS Compliant", Row Spacing=-, Supplier 1=Samtec, Supplier Part Number 1=TSW-104-07-T-S, Termination=Solder
J8: "CONN FFC BOTTOM 6POS 0.50MM R/A", Contact Resistance=30mR, Current Rating=500mA, Flammability Rating="UL94 V-0", Housing Colour=Black, Insulation Resistance=100MR, Manufacturer 1="Amphenol FCI", Manufacturer Part Number 1=SFV6R-1STE1HLF, Max Operating Temperature=105°C, Max Voltage Rating (AC)=50V, Min Operating Temperature=-55°C, Package Quantity=3000, Supplier Part Number 1=609-4332-1-ND, Actuator Material=Glass,Polyphenylene, ComponentLink1Description=http://portal.fciconnect.com/Comergent//fci/drawing/10112793.pdf, ComponentLink1URL=http://portal.fciconnect.com/Comergent//fci/drawing/10112793.pdf, ComponentLink2Description=https://cdn.amphenol-icc.com/media/wysiwyg/files/drawing/10112793.pdf, ComponentLink2URL=https://cdn.amphenol-icc.com/media/wysiwyg/files/drawing/10112793.pdf, ComponentLink3Description=http://portal.fciconnect.com/Comergent/fci/drawing/10112793.pdf, ComponentLink3URL=http://portal.fciconnect.com/Comergent/fci/drawing/10112793.pdf, ComponentLink4Description=https://www.verical.com/server-webapp/html/getDatasheet?partID=347449, ComponentLink4URL=https://www.verical.com/server-webapp/html/getDatasheet?partID=347449, Contact Location=Bottom, Contact Material=Bronze, Contact Plating=Tin, Depth=4.9mm, Description 1="6 Position FFC, FPC Connector Contacts, Bottom 0.020\" (0.50mm) Surface Mount, Right Angle", Housing Material=Polyamide, Lead Free="Lead Free", Length=8.5mm, Max Voltage Rating (DC)=50V, Mount="Surface Mount", Number of Contacts=6, Number of Positions=6, Number of Rows=1, Orientation="Right Angle", Packaging="Tape and Reel", Pitch=0.5mm, Pricing 1="1=0.77, 10=0.681, 25=0.6408, 50=0.614, 100=0.5873, 250=0.53396, 500=0.48054, 1000=0.42715 (USD)", Radiation Hardening=No, Stock 1=13673, Supplier 1=Digi-Key, Termination=Solder, Voltage Rating=50V, Wire/Cable Type=Straight
J10: library part J_FPC_MOLEX_40POS, "CONN FFC/FPC .50MM 40POS R/A SMD", Colour=Black, Contact Resistance=20mR, Current Rating=500mA, Flammability Rating="UL94 V-0", Manufacturer 1=Molex, Manufacturer Part Number 1=54132-4062, Max Operating Temperature=85°C, Min Operating Temperature=-20°C, Package Quantity=1500, Supplier Part Number 1=WM3436DKR-ND, Voltage Rating=50V, ComponentLink1Description=http://www.molex.com/pdm_docs/sd/541324097_sd.pdf, ComponentLink1URL=http://www.molex.com/pdm_docs/sd/541324097_sd.pdf, ComponentLink2Description=https://datasheet.ciiva.com/10366/0541324062-ffc-fpc-connectors-10366848.pdf, ComponentLink2URL=https://datasheet.ciiva.com/10366/0541324062-ffc-fpc-connectors-10366848.pdf, ComponentLink3Description=https://datasheet.ciiva.com/5136/0541324062-ffc-fpc-connectors-143955-5136808.pdf, ComponentLink3URL=https://datasheet.ciiva.com/5136/0541324062-ffc-fpc-connectors-143955-5136808.pdf, ComponentLink4Description=https://datasheet.ciiva.com/11745/0900766b80d5d226-11745087.pdf, ComponentLink4URL=https://datasheet.ciiva.com/11745/0900766b80d5d226-11745087.pdf, Contact Location=Bottom, Contact Material=Bronze, Contact Plating=Nickel,Gold, Description 1="FFC & FPC Connectors 0.5 FPC Hsg AssyBtmW /AuPlt40CktEmbsTpPkg", ELV=Compliant, Gender=Female, Housing Material=Thermoplastic, Lead Free="Lead Free", Material=Bronze, Mating Cycles=20, Number of Circuits=40, Number of Contacts=40, Number of Positions=40, Number of Rows=1, Orientation="Right Angle", Packaging="Tape and Reel", Pitch=0.5mm, Pricing 1="1=2.05, 10=1.861, 25=1.7472, 50=1.6712, 100=1.5953, 250=1.44336, 500=1.3294 (USD)", Radiation Hardening=No, REACH SVHC="No SVHC", Stackable=No, Stock 1=18264, Supplier 1=Digi-Key, Termination=Solder
J11: "CONN FFC FPC TOP 6POS 1.00MM R/A", Contact Resistance=20mR, Current Rating=1A, Flammability Rating="UL94 V-0", Housing Colour=Natural, Manufacturer 1=Molex, Manufacturer Part Number 1=52207-0660, Max Operating Temperature=85°C, Min Operating Temperature=-30°C, Package Quantity=1000, Supplier Part Number 1=WM10939DKR-ND, Voltage Rating=125V, ComponentLink1Description=http://www.molex.com/pdm_docs/sd/522710479_sd.pdf, ComponentLink1URL=http://www.molex.com/pdm_docs/sd/522710479_sd.pdf, ComponentLink2Description=https://datasheet.ciiva.com/16658/0522070660-ffc-fpc-connectors-16658853.pdf, ComponentLink2URL=https://datasheet.ciiva.com/16658/0522070660-ffc-fpc-connectors-16658853.pdf, ComponentLink3Description=https://datasheet.ciiva.com/1438/522071060-sd-1438423.pdf, ComponentLink3URL=https://datasheet.ciiva.com/1438/522071060-sd-1438423.pdf, ComponentLink4Description=https://datasheet.ciiva.com/26929/getdatasheetpartid-761355-26929848.pdf, ComponentLink4URL=https://datasheet.ciiva.com/26929/getdatasheetpartid-761355-26929848.pdf, ComponentLink5Description=https://datasheet.ciiva.com/5137/0522070660-ffc-fpc-connectors-149417-5137997.pdf, ComponentLink5URL=https://datasheet.ciiva.com/5137/0522070660-ffc-fpc-connectors-149417-5137997.pdf, ComponentLink6Description=https://datasheet.ciiva.com/11745/0900766b80d6d4e7-11745263.pdf, ComponentLink6URL=https://datasheet.ciiva.com/11745/0900766b80d6d4e7-11745263.pdf, Contact Material=Bronze, Contact Plating=Nickel,Gold, Depth=8.9mm, Description 1="CONNECTOR, FPC, 1.0MM, 6WAY", ELV=Compliant, Gender=Receptacle, Housing Material=Nylon, Length=13.9mm, Material=Bronze, Number of Circuits=6, Number of Contacts=6, Number of Positions=6, Number of Rows=1, Orientation="Right Angle", Packaging="Tape and Reel", Pitch=1mm, Pricing 1="1=0.94, 10=0.828, 25=0.7796, 50=0.7472, 100=0.7146, 250=0.64968, 500=0.5847 (USD)", REACH SVHC=Unknown, Stackable=No, Stock 1=5020, Supplier 1=Digi-Key, Termination=SMD/SMT